# KiCad board PC110.kicad_pcb (continued)
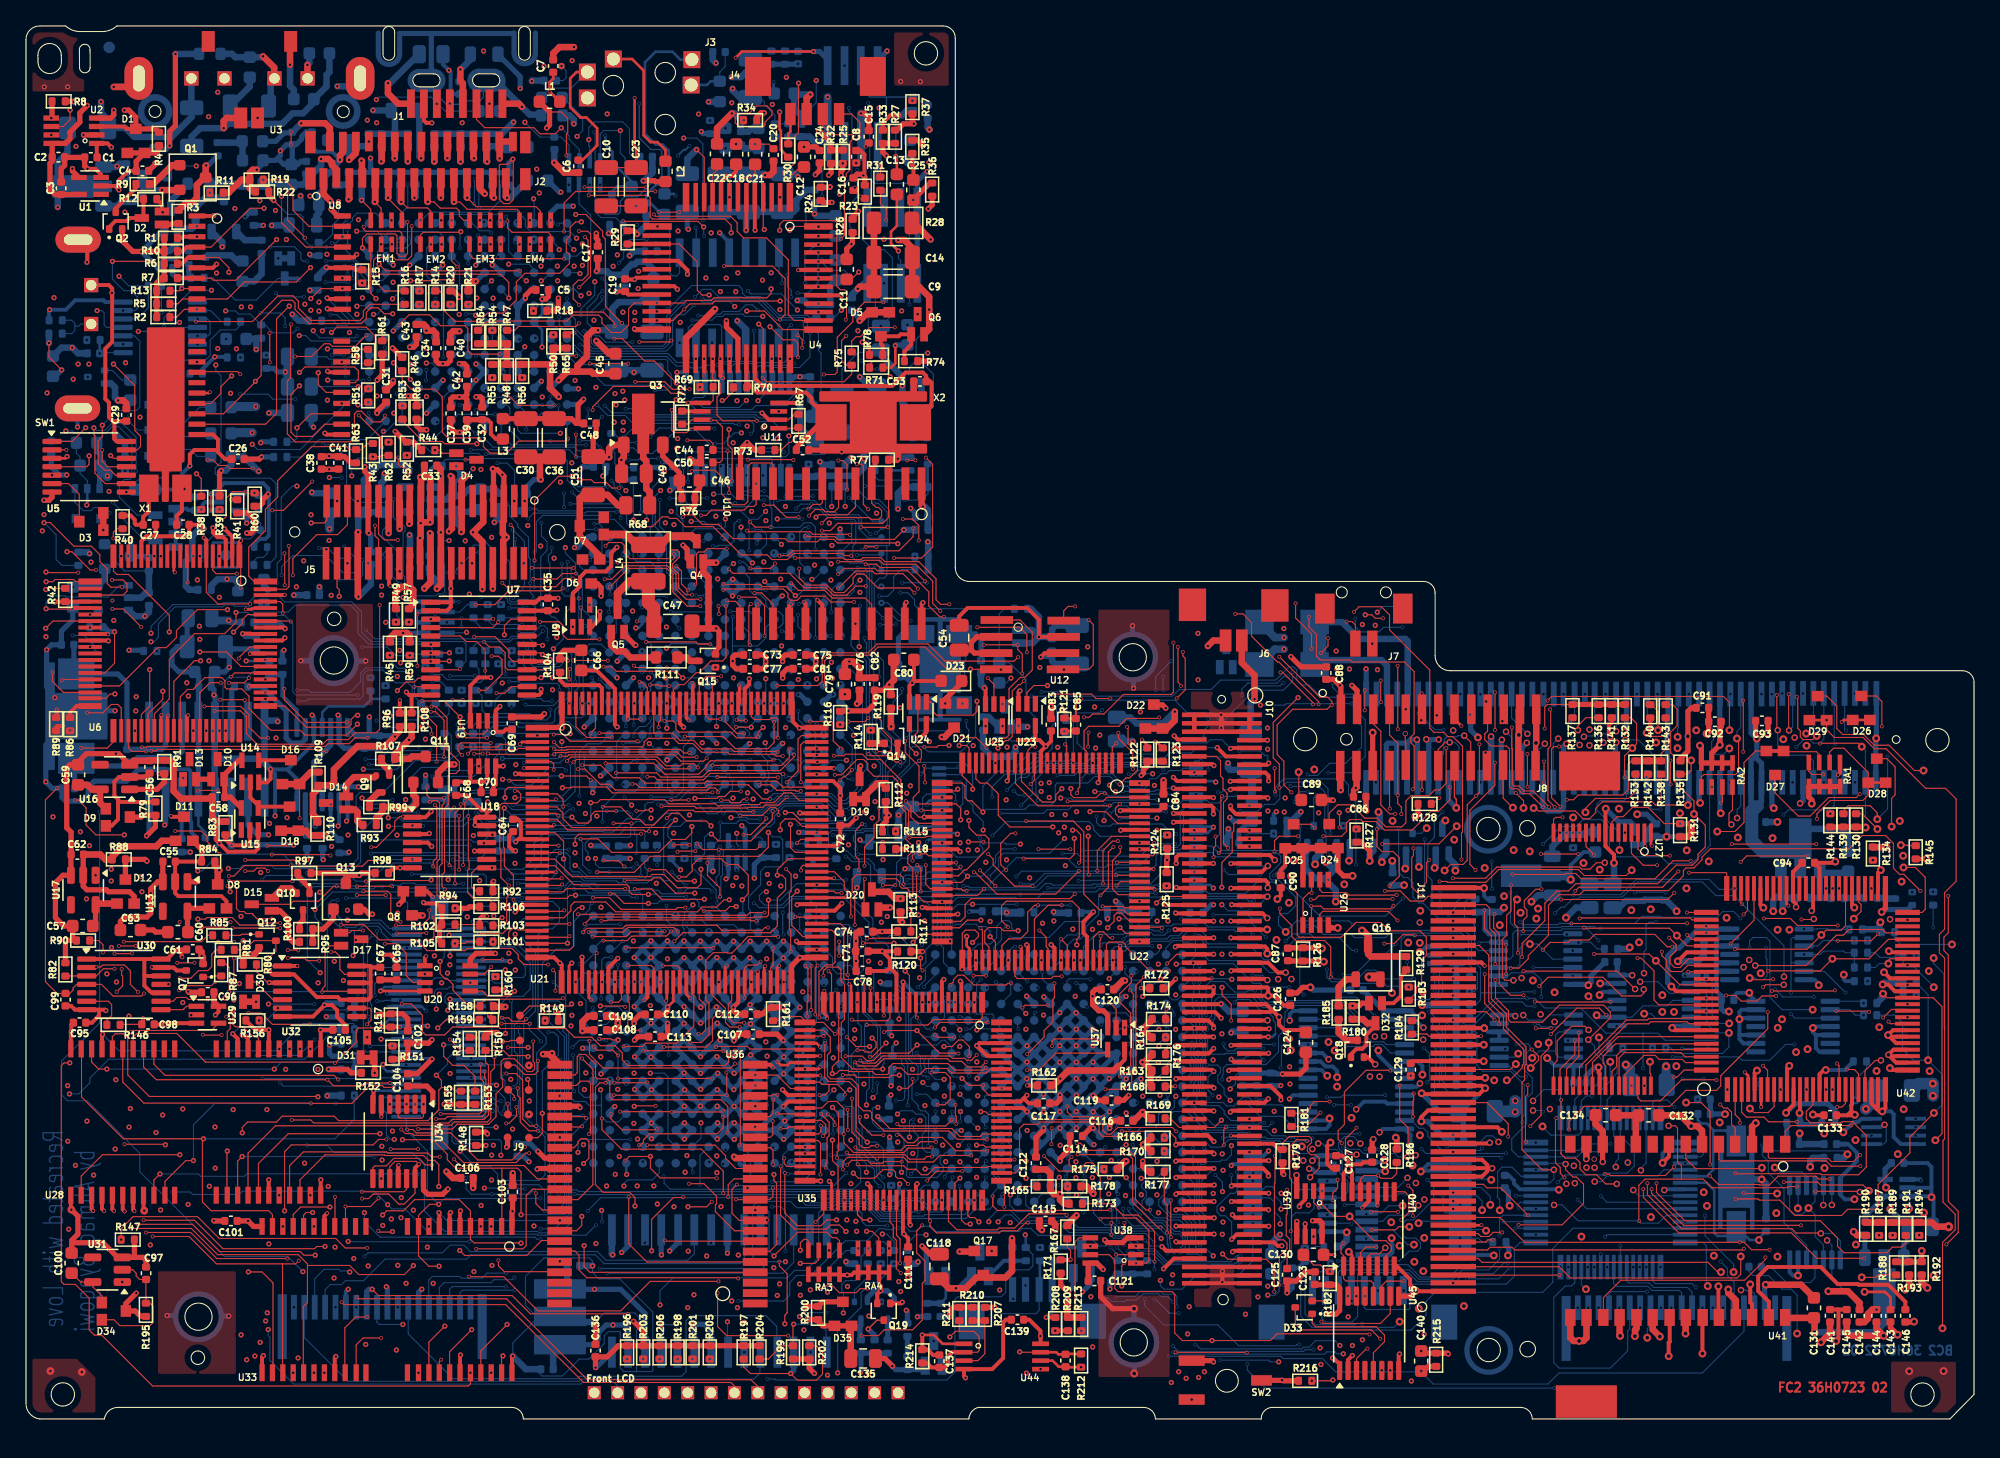
[diagram p0: board, top side]
## Routing (per net, layer and track width the routed paths; a pad name or vN(x,y) marks a point on that pad's centre or on a via; arc(x,y) is an arc through that point) (continued)
Pluto_51: length 61.7
  FC2 w0.08: U35.51 61.45,15.82 v3(60.82,15.19) ; v3(48.73,53.3) 48.73,53.7 48.86,53.83 48.86,55.15
  FC1 w0.08: v3(60.82,15.19) 60.82,12.38 59.65,11.21 54.69,11.21 53.64,10.16 53.07,10.16 51.54,11.69 51.54,13.28 49.44,15.38 49.44,22.92 49.19,23.17 49.19,24.47 49.45,24.73 49.45,29.04 48.51,29.98 48.51,30.34 48.52,30.34 48.52,30.66 48.51,30.66 48.51,34.36 47.73,35.14 47.73,38.69 48.39,39.35 48.39,40.27 49.11,40.99 49.11,45.82 48.63,46.3 48.63,51.98 48.73,52.08 v3(48.73,53.3)
Pluto_52: length 81.8
  FC2 w0.08: v1(10.74,21.13) 10.7,21.17 v3(7.59,21.17) ; R85.1 14.01,37.27 13.52,36.78 v3(7.53,36.78)
  FC2 w0.2: v1(61.88,18.31) 62.05,18.14 U35.52
  FC1 w0.08: v3(7.59,21.17) 7.59,29.9 8.48,30.79 8.48,31.7 7.89,32.29 7.89,35.28 7.53,35.64 v3(7.53,36.78)
  IC1 w0.08: v1(10.74,21.13) 25.63,21.13 26.27,20.49 30.84,20.49 32,21.65 32.85,21.65 32.91,21.6 45.55,21.6 47.89,19.25 49.01,19.25 50.31,17.95 61.73,17.95 61.88,18.1 v1(61.88,18.31)
Pluto_72: length 81.1
  FC2 w0.08: U35.72 72.05,15.33 72.36,15.02 v1(72.73,15.02)
  FC2 w0.5: v3(17.72,32.15) D30.2
  FC1 w0.08: v1(18.71,13.49) 18.2,14 18.2,30.23 17.96,30.47 v3(17.96,30.71) 17.96,31.91 v3(17.72,32.15)
  IC3 w0.08: v1(72.73,15.02) 72.72,15.03 68.92,15.03 67.35,13.46 60.97,13.46 60.28,14.15 48.71,14.15 45.62,11.06 37.79,11.06 37.42,10.69 32.57,10.69 32.09,11.17 25.88,11.17 25.18,11.87 22.76,11.87 21.84,10.95 20.64,10.95 18.71,12.88 v1(18.71,13.49)
Pluto_73: length 150
  FC2 w0.08: v3(88.18,14.01) v3(88.18,16.85) ; 26.86,27.78 D31.1 ; v3(72.55,16.86) 72.55,15.68 72.71,15.52 73.07,15.52 v1(73.4,15.19)
  FC2 w0.4: D31.2 D31.1 ; v3(26.86,26.67) 26.86,27.78
  FC1 w0.08: v3(88.18,16.85) 87.26,17.77 83.98,17.77 83.7,18.05 80.88,18.05 80.47,18.46 80,18.46 79.76,18.22 77.33,18.22 76.85,17.74 75.67,17.74 75.43,17.5 72.94,17.5 72.55,17.11 v3(72.55,16.86) ; v1(93.93,8.07) 91.45,8.07 90.62,8.9 90.62,10.95 88.18,13.39 v3(88.18,14.01) ; v3(26.86,26.67) 26.32,26.13 26.32,20.89 26.39,20.82 26.39,16.51 26.61,16.29 26.61,12.59 26.36,12.34 v1(26.36,11.79)
  IC1 w0.08: v1(93.93,8.07) 94.36,8.5 v2(107.28,8.5)
  IC3 w0.08: v1(26.36,11.79) 26.78,11.37 32.33,11.37 32.82,10.88 37.15,10.88 37.51,11.24 45.46,11.24 48.54,14.32 60.41,14.32 61.07,13.66 66.04,13.66 68.01,15.63 72.96,15.63 v1(73.4,15.19)
  BC1 w0.08: v7(103.58,30.68) 104.34,30.68 105.11,29.91 105.11,28.44 106.37,27.18 109.42,27.18 110.05,26.55 110.05,15.55 111.14,14.46 111.14,13.03 109.02,10.91 104.03,10.91 103.58,10.46 103.58,9.34 104.42,8.5 v2(107.28,8.5)
Pluto_BIOS_WR_EN: length 51.3
  FC2 w0.08: U35.53 62.55,19.48 62.12,19.91 v1(62.12,21.49)
  FC2 w0.4: D19.3 64.21,50.25 v1(64.29,50.33)
  IC4 w0.08: v1(64.29,50.33) 64.29,51.17 63.96,51.5 62.82,51.5 62.29,50.97 62.29,42.52 63.09,41.72 64.12,41.72 65.1,40.74 65.1,39.54 65.18,39.46 65.18,37.23 65.78,36.63 66.23,36.63 66.77,36.09 66.77,32.61 65.61,31.45 65.61,27.5 65.45,27.34 65.45,25.52 65.63,25.34 65.63,24.61 65.15,24.13 65.15,23.16 65.4,22.91 65.81,22.91 66.86,23.96 67.35,23.96 68.01,23.3 68.01,22.87 67.41,22.27 65.04,22.27 63.85,21.08 63.16,21.08 62.75,21.49 v1(62.12,21.49)
Pluto_CLK: length 74.7
  FC2 w0.3: v1(68.64,18.12) 68.55,18.03 U35.65
  IC1 w0.08: v1(68.64,18.12) 67.94,17.42 38.47,17.42 36.12,19.77 29.25,19.77 28.55,19.07 26.72,19.07 26,19.79 21.54,19.79 v1(21.46,19.71)
  IC4 w0.08: v1(21.46,19.71) 21.46,20.6 21.63,20.77 21.63,21.5 21.61,21.52 21.61,43.09 v1(21.63,43.11)
  BC2 w0.4: R348.1 21.65,43.13 v1(21.63,43.11)
Pluto_Dock_IO1: length 121.6
  FC2 w0.08: v1(65.17,29.35) 65.48,29.04 65.48,28.64 65.12,28.28 64.63,28.28 64.49,28.42 v3(64.04,28.42) ; v3(61.43,29.5) 60.04,29.5 U35.28 ; v2(142.6,46.22) 142.6,46.7 142.04,47.26 140.37,47.26 139.99,46.88 R139.2
  FC1 w0.08: v3(61.43,29.5) 62.09,28.84 63.39,28.84 63.81,28.42 v3(64.04,28.42)
  IC1 w0.08: v2(100.8,28.4) 100.8,29.3 100.32,29.78 98.59,29.78 98.37,30 96.87,30 95.86,28.99 95.29,28.99 92.66,31.62 90.89,31.62 88.83,29.56 68.23,29.56 67.53,30.26 65.92,30.26 65.17,29.51 v1(65.17,29.35)
  IC2 w0.08: v2(142.6,46.22) 141.59,46.22 141.58,46.21 141.52,46.21 141.21,45.9 141.21,40.9 140.14,39.83 140.14,35.14 140.45,34.83 140.45,29.8 139.72,29.07 136.97,29.07 136.34,28.44 v2(136.34,28.27)
  IC3 w0.08: v2(100.8,28.4) 103.44,28.4 104.02,27.82 107.07,27.82 107.99,26.9 115.12,26.9 115.45,26.57 116.81,26.57 118.51,28.27 v2(136.34,28.27)
  BC1 w0.08: v7(141.68,55.91) 141.68,52.46 143.1,51.04 v7(143.39,51.04)
  BC2 w0.08: v2(142.6,46.22) 143.39,47.01 v7(143.39,51.04)
Pluto_Dock_IO2: length 117.5
  FC2 w0.08: v3(63.87,27.48) 64.15,27.2 65.52,27.2 66.08,27.76 70.99,27.76 71.19,27.56 72.08,27.56 72.51,27.13 73.56,27.13 v3(73.93,27.5) ; v3(92.13,48.01) 92.04,47.92 92.04,43.78 v3(91.88,43.62) ; v2(142.61,45.46) 141.43,46.64 R130.2 ; v2(141.4,51.81) 141.14,52.07 138.2,52.07 v3(138.18,52.05) ; v3(77.12,28.12) 78.42,29.42 78.42,29.93 79.1,30.61 79.1,32.34 79.22,32.46 v3(79.22,33.57) ; v3(126.68,48.9) 126.66,48.92 v3(126.66,50.74)
  FC2 w0.2: v3(61.18,28.67) 60.89,28.96 U35.29
  FC1 w0.08: v3(73.93,27.5) 76.5,27.5 v3(77.12,28.12) ; v3(91.88,43.62) 90.37,43.62 89.04,42.29 89.04,40.78 88.8,40.54 87.78,40.54 87.08,41.24 86.67,41.24 86.12,40.69 86.12,39.74 85.93,39.55 85.55,39.55 85.21,39.89 85.21,41.05 84.76,41.5 83.51,41.5 83.39,41.62 82.68,41.62 80.16,39.1 80.16,36.35 79.22,35.41 v3(79.22,33.57) ; v3(138.18,52.05) 137.5,51.37 132.91,51.37 132.46,51.82 131.75,51.82 131,52.57 130.05,52.57 129.84,52.36 128.39,52.36 128.15,52.12 126.99,52.12 126.66,51.79 v3(126.66,50.74) ; v3(92.13,48.01) 92.2,48.08 93.1,48.08 93.79,48.77 96.03,48.77 96.36,49.1 96.69,49.1 96.83,48.96 100.79,48.96 101.08,49.25 109.34,49.25 109.73,49.64 121.27,49.64 121.45,49.82 125.76,49.82 v3(126.68,48.9) ; v3(63.87,27.48) 63.87,28.04 63.26,28.65 61.2,28.65 v3(61.18,28.67)
  BC2 w0.08: v2(142.61,45.46) 141.68,46.39 J13.99 141.68,51.53 v2(141.4,51.81)
Pluto_EN_IRDA: length 178.4
  FC2 w0.08: v1(28.61,56.13) 29.27,56.79 29.91,56.79 30.21,57.09 U7.10 ; U35.48 58.62,19.46 58.4,19.68 v3(58.4,20.09) ; v1(62.12,24.01) 62.59,23.54 62.59,20.69 62.48,20.58 v3(62.48,20.12)
  FC1 w0.08: v3(62.48,20.12) 62.45,20.09 v3(58.4,20.09)
  IC3 w0.08: v1(21.87,94.24) 21.87,95.57 23.9,97.6 43.91,97.6 46.08,95.43 46.08,94.05 49.5,90.63 50.06,90.63 51.43,89.26 51.43,87.83 51.45,87.81 51.45,87.72 51.81,87.36 54.93,87.36 55.9,88.33 v1(57.4,88.33)
  IC4 w0.08: v1(57.4,88.33) 58.42,88.33 60.35,86.4 60.35,67.1 61.55,65.9 61.55,56.22 61.22,55.89 61.22,41.75 60.69,41.22 59.28,41.22 58.81,40.75 58.81,39.47 59.09,39.19 60.82,39.19 62.81,37.2 62.81,24.7 v1(62.12,24.01) ; v1(21.87,94.24) 21.87,93.27 22.28,92.86 22.64,92.86 22.65,92.86 24.64,92.86 24.71,92.93 26.08,92.93 26.41,92.6 26.41,86.18 26.17,85.94 26.17,84.07 24.83,82.73 24.83,80.56 24.03,79.76 24.03,75.14 25.52,73.65 25.52,70.94 24.03,69.45 24.03,64.99 22.1,63.06 22.1,61.1 22.87,60.33 24.17,60.33 25.52,58.98 25.52,57.94 27.33,56.13 v1(28.61,56.13)
Pluto_ESS_AEN: length 85.3
  FC2 w0.08: v3(76.14,19.99) 76.11,19.96 U35.79
  FC1 w0.08: v3(76.14,19.99) 76.47,20.32 77.41,20.32 77.76,19.97 79.02,19.97 79.41,20.36 79.94,20.36 80.48,19.82 v1(80.87,19.82)
  IC3 w0.08: v2(145.04,16.21) 144.51,15.68 136.3,15.68 135.64,16.34 135.64,17.37 135.21,17.8 132.13,17.8 131.78,18.15 123.35,18.15 122.18,16.98 117.45,16.98 114.66,19.77 109.32,19.77 108.11,18.56 107.22,18.56 106.75,19.03 106.52,19.03 106.03,19.52 104.38,19.52 103.66,18.8 100.33,18.8 99.69,18.15 97.52,18.15 97.22,18.45 96.59,18.45 96.36,18.68 96.36,19.12 95.99,19.49 95.99,19.5 95.17,19.5 94.8,19.87 94.8,20.44 93.4,21.84 91.23,21.84 88.87,19.48 82.04,19.48 81.7,19.82 v1(80.87,19.82)
  BC1 w0.08: v2(145.04,16.21) 145.04,21.98 145.55,22.49 v7(145.55,22.49)
Pluto_IRDA_OUT: length 151.4
  FC2 w0.08: v1(3.4,100.86) 3.4,100.13 2.87,99.6 U2.6 ; v1(73.22,21.1) 73.76,21.1 73.9,20.96 U35.81
  IC3 w0.08: v1(10.53,23.42) 13.4,23.42 13.64,23.18 37.98,23.18 38.92,22.24 66.96,22.24 67.57,21.63 67.57,21.52 67.77,21.32 68.56,21.32 68.84,21.6 72.72,21.6 v1(73.22,21.1)
  IC4 w0.08: v1(10.53,23.42) 10.53,23.81 10.21,24.13 10.21,36.14 6.98,39.37 6.98,46.81 10.13,49.96 10.13,54.63 8.55,56.21 8.55,71.69 8.3,71.94 8.3,81.74 7.72,82.32 7.72,89.21 6.44,90.49 6.44,91.81 3.99,94.26 3.99,96.72 3.98,96.72 3.33,97.37 3.33,100.79 v1(3.4,100.86)
Pluto_Switched_PNET5: length 125
  FC2 w0.4: v1(102.13,56.53) 102.53,56.13 J8.12 ; C86.1 102.25,48.44 v1(102.43,48.62)
  FC2 w0.5: 141.74,15.14 146.82,15.14 147.14,14.82 148.08,14.82 ; R129.2 103.57,35.64 103.38,35.83 Q16.3 103.39,36.51 103.39,37.23 102.98,37.64 v2(102.9,37.64) ; v1(102.43,48.62) 102.49,48.68 102.49,50.33 J8.15 ; 141.78,15.13 141.77,15.12
  FC2 w0.7: v2(148.09,14.81) 148.08,14.82
  IC2 w0.7: v2(148.09,14.81) 148.06,14.84 148.06,17.38 147.06,18.38 146.05,18.38 145.43,19 145.43,46.48 137.66,54.25 108.37,54.25 106.09,56.53 v1(102.13,56.53)
  IC4 w0.5: v2(102.9,37.64) 102.9,39.01 101.37,40.54 99.86,40.54 98.35,42.05 98.35,44.1 98.88,44.63 98.88,47.91 100.52,49.55 101.54,49.55 102.43,48.66 v1(102.43,48.62)
  IC4 w0.7: v1(102.13,56.53) 105,53.66 105,51.19 v1(102.43,48.62)
PNET1: length 570.1
  FC2 w0.08: 24.05,73.18 C41.1 ; 22.79,73.18 C38.1 ; 67,43.91 R118.2 ; 107.64,5.07 v3(107.47,5.24) ; v1(97.89,15.22) 97.88,15.21 ; 96.8,2.94 v1(96.75,2.99) 96.73,2.97 ; 34.45,17.8 v1(34.43,17.78) ; v1(65.96,37.56) 65.97,37.57 ; 65.25,37.56 C74.2
  FC2 w0.2: v1(49.42,31.74) 49.86,32.18 U21.54 ; v2(101.89,12.88) 102.14,12.63 U40.2 ; 28.06,31.17 R157.2
  FC2 w0.3: U40.13 102.14,19 v2(101.86,19.28) ; v1(78.55,51.83) 78.95,52.23 C83.1 ; v1(78.55,51.83) 78.17,51.45 U22.13 ; v1(78.55,51.83) 78.06,52.32 77.88,52.32 ; 77.88,52.32 76.42,52.32 v3(76.41,52.33) ; 77.88,52.32 77.75,52.45 U23.5 ; v1(82.22,39.08) 81.45,38.31 81.45,37.44 81.72,37.17 U22.70 ; 14.79,74.67 14.79,75.48 14.41,75.86 U8.20 ; 14.79,74.67 12.96,74.67 12.62,74.33 v1(12.62,73.45) ; 14.79,74.67 14.79,74.51 15.33,73.97 C26.1 ; C128.1 103.03,19.79 102.86,19.62 102.2,19.62 v2(101.86,19.28) ; R156.1 17.67,29.98 v1(18.7,29.98) 18.71,29.98 U28.6 ; 32.72,62.94 v1(32.72,64) 32.72,65.9 J5.33 ; 32.72,62.94 32.72,62.58 32.43,62.29 U7.2 ; 32.72,62.94 32.72,62.94 31.18,62.94 ; L3.1 36.2,75.51 35.81,75.9 35.81,76.76 35.56,77.01 C32.1 ; 50.36,55.15 50.36,53.6 v1(50.65,53.31) ; v1(68.12,14.95) 68.05,15.02 U35.64 ; U40.14 101.49,18.91 v2(101.86,19.28) ; 66.55,34.78 66.55,35.45 v1(65.96,36.04) 67.12,36.04 R120.1 ; 66.55,34.78 67.05,34.28 U35.14 ; 66.55,34.78 66.29,34.52 C78.2 ; v2(101.86,19.28) 101.86,19.81 101.38,20.29 C127.2 ; U28.1 22.71,29.96 v1(22.68,29.98) C105.1 ; 84.13,27.19 84.62,27.68 U37.5 ; U21.18 39.37,44.68 38.28,44.68 38.24,44.72 38.12,44.72 ; 59.06,55.17 59.06,53.75 v1(59.57,53.24) 59.6,53.27 U21.108 ; U8.1 14.44,92.71 v1(14.46,92.73) ; C95.1 3.49,30.38 v1(3.49,29.84) 3.46,29.81 3.46,28.52 ; v1(58.34,24.08) 58.72,24.46 U35.38 ; U8.6 14.4,88.71 v1(14.68,88.99) ; v1(33.47,16.04) 33.44,16.01 U33.6 ; C117.2 77.23,24.33 76.86,24.71 ; 76.86,24.71 76.61,24.46 U35.88 ; 76.86,24.71 v1(77.09,24.94) ; v1(36.5,54.91) 36.18,54.59 U19.1 36.18,53.1 36.32,52.96 36.78,52.96 36.96,53.14 C69.1 ; v1(102.17,4.89) 101.83,4.56 U45.2 ; U21.90 62.47,44.17 62.72,44.42 C72.1 63.37,45.74 v1(63.95,46.32) ; U35.95 74.18,27.96 74.14,28 74,28 v1(73.24,28.76) 73.44,28.96 U35.97 ; U9.5 42.12,63.62 42.67,64.17 42.67,64.86 43.12,65.31 44.67,65.31 45.08,65.72 45.08,66.74 v1(45.51,67.17) ; U35.7 70.55,33.72 v1(70.7,33.87) ; v1(30.62,39.8) 30.69,39.73 31.6,39.73 31.98,39.35 ; v1(37.72,44.48) 37.96,44.72 38.12,44.72 ; 38.12,44.72 38.12,45.98 37.88,46.22 C64.2 ; U21.37 41.26,34.99 v1(41.12,35.13) 40.68,35.57 U21.36 ; C65.2 28.54,35.29 28.05,35.78 v1(27.52,35.78)
  FC2 w0.4: U21.73 60.89,35.55 v1(59.61,35.55) 58.96,34.9 U21.72 ; 97.88,15.21 U39.5 ; v1(82.97,11.52) 82.48,12.01 U38.8 81.82,11.85 C121.1 ; U33.1 37.44,15.96 v1(37.48,16) 37.48,17.02 C103.1 ; R157.2 29.03,31.22 29.41,30.84 C102.2 ; C40.1 32.68,81.55 32.46,81.33 v1(32.11,81.33) 31.79,81.33 31.59,81.53 C34.1 ; v1(67.94,10.91) 67.95,10.92 C111.1 ; C42.2 33.96,81.12 33.75,81.33 v1(33.38,81.33) ; v1(38.47,86.38) 38.47,86.57 38.9,87 C5.1 ; C77.2 56.77,57.81 56.97,58.01 v1(56.97,58.37) 56.97,58.7 56.79,58.88 C73.2 ; v1(27.14,31.17) 28.06,31.17 ; v1(31.27,27.73) 30.15,26.61 C104.2 ; C43.1 30.08,82.81 29.87,82.6 v1(29.56,82.6) ; 31.98,39.35 R94.1 R102.1 31.86,37.93 31.86,36.82 R105.1 ; v1(86.02,19.87) 86.02,19.45 86.43,19.04 R177.1 ; 107.64,5.07 R215.2 109.49,5.07 v1(109.55,5.01) ; v1(43.95,88.45) 44.04,88.54 C17.1 ; Q13.2 26.06,39.28 26.44,38.9 v1(26.68,38.9) ; C32.1 C39.1 33.96,76.25 33.74,76.03 v1(33.4,76.03) 33.06,76.03 32.72,76.37 C37.1 ; 24.05,73.18 v1(23.36,73.18) 22.79,73.18 ; v1(28.29,80.03) 28.29,79.86 C31.2 ; R148.2 35.41,22.1 v1(35.54,21.97) ; v1(99.1,15.28) 99.65,15.28 99.83,15.1 U39.8 ; C113.2 49.27,29.46 49.42,29.61 v1(49.42,30.48) ; v1(67.75,43.91) 67,43.91 ; C112.2 56.72,31.2 57.23,31.71 R161.2 57.56,31.73 v1(58.32,31.73) ; R152.1 25.04,26.67 24.77,26.94 v1(23.31,26.94) ; U21.1 39.41,53.29 41.25,53.29 v1(41.29,53.25) 41.29,55.12 41.26,55.15 ; v1(79.65,19.87) 79.65,20.06 79.94,20.35 79.94,20.37 80.39,20.82 80.39,21.77 C114.2 ; C75.1 58.48,58.88 58.28,58.68 v1(58.28,58.37) ; U33.22 17.54,14.84 v1(17.1,15.27) 17.09,15.26 C101.2 ; C110.2 49.15,31.17 49.42,31.44 v1(49.42,31.74) ; 96.8,2.94 R216.1 ; v1(58.34,29.17) 57.86,29.65 C107.2 ; v1(28.42,52.59) 28.82,52.99 28.82,53.35 R96.1 ; R127.2 102.51,44.47 102.81,44.47 103.5,43.78 v2(103.5,43) ; v1(100.31,8.08) 100.91,8.08 101.19,8.36 U45.16 101.19,10.08 100.92,10.34 R182.1 99.3,10.34 C123.1 ; 65.97,37.57 R117.1 ; v1(65.96,37.56) 65.25,37.56 ; C71.2 v1(65.96,36.04) ; 96.73,2.97 SW2.1
  FC2 w0.5: v1(79.67,26.23) 80.14,26.7 ; 80.14,26.7 79.14,25.7 R162.2 ; 80.14,26.7 80.29,26.85 83.78,26.85 84.12,27.19 84.13,27.19 ; v1(36.93,31.76) 36.05,31.76 R158.2 ; C115.2 78.05,14.76 v1(78.26,14.55) ; R84.2 14.56,42.95 14.56,42.62 v1(14.89,42.29) 14.77,42.17 D8.2 ; C109.2 45.38,31.05 45.59,30.84 v1(45.59,30.5) 45.59,30.19 45.37,29.97 C108.2 ; v1(32.71,72.67) 32.81,72.57 J5.8 32.81,68.63 v1(32.58,68.4) ; R110.2 22.45,46.25 22.1,46.6 22.1,48.15 22.54,48.59 R109.1 23.45,48.83 23.73,49.11 23.73,49.4 23.72,49.41 23.72,50.04 25.09,51.41 25.1,51.41 25.54,51.85 27.68,51.85 v1(28.42,52.59) ; R59.2 29.56,60.37 29.36,60.57 v1(29.05,60.57) 28.42,60.57 28.03,60.18 R45.2 ; C106.2 34.45,17.8 ; C122.1 78.59,19.23 78.9,18.92 R165.2 78.9,17.59 79.17,17.32 v1(79.65,17.32) 79.65,16.89 79.95,16.59 R173.1
  FC1 w0.08: v3(107.47,5.24) 107.11,5.59 105.44,5.59 104.44,4.59 v3(104.44,3.74)
  FC1 w0.3: v3(75.21,53.39) 76.27,52.33 v3(76.41,52.33)
  FC1 w0.5: v2(136.49,11.05) 136.49,12.15 137.1,12.76 139.05,12.76 139.88,13.59 139.88,17.26 139.49,17.65 139.49,20.97 139.98,21.46 v2(139.98,22.09)
  IC1 w0.5: v2(127.14,39.13) 127.05,39.13 125.33,37.41 109.77,37.41 108.55,38.63 108.55,39.27 107.65,40.17 101.19,40.17 v2(100.89,39.87)
  IC2 w0.5: v1(41.12,35.13) 41.12,33.95 38.93,31.76 v1(36.93,31.76)
  IC2 w0.6: v4(104.26,22.09) 103.91,22.44 101.13,22.44 v2(100.41,23.16) 99.25,24.32 99.25,29.84 99.92,30.51 99.92,33.84 98.33,35.43 98.33,40.44 100.12,42.23 v2(100.12,42.93)
  IC2 w0.8: v2(103.5,43) 103.5,42.72 104.13,42.09 105.92,42.09 v2(106.24,42.41) 106.24,42.39 106.89,41.74 107.77,41.74 108.47,42.44 108.47,42.47
  IC4 w0.5: v1(21.87,86.98) 21.87,87.8 21.11,88.56 21.11,89 v1(21.86,89.75)
  IC4 w0.6: v2(103.5,43) 103.5,43.89 103.1,44.29 100.66,44.29 100.12,43.75 v2(100.12,42.93)
  IC4 w0.7: v2(127.14,39.13) 126.51,38.5 126.51,37.71 123.72,34.92 v4(123.72,34.19)
  BC1 w0.4: v1(17,69.04) 17.56,69.04 17.64,68.96 17.64,66.68 17.53,66.57 17.53,63.63 v5(18.33,62.83)
  BC2 w0.08: v1(30.86,77.5) 30.86,77.52 ; 66.59,21.65 v1(66.52,21.72) ; v1(29.05,60.57) 29.07,60.59 ; 122.57,34.23 U66.14 ; v1(28.29,83.85) 28.3,83.85 ; v1(33.38,81.33) 33.45,81.33 ; v1(23.13,31) 23.15,30.98
  BC2 w0.2: J15.21 31.21,27.79 v1(31.27,27.73) ; J15.14 29.25,31.25 27.22,31.25 v1(27.14,31.17)
  BC2 w0.3: RA5.6 RA5.5 29.07,60.59 ; U70.16 100.13,22.35 100.41,22.63 v2(100.41,23.16) 100.25,23 U70.17 ; C247.1 81.34,39.08 v1(82.22,39.08) ; v1(58.26,63.43) 58.19,63.43 57.64,62.88 ; U72.1 109.51,19.79 109.36,19.63 108,19.63 v2(107.44,19.07) 107.51,19.14 U72.2 ; J15.5 27.53,35.79 v1(27.52,35.78) ; R287.2 12.4,71.05 12.02,71.43 12.02,71.73 ; 24.24,29.98 R403.2 ; 12.02,71.73 11.91,71.62 D44.1 ; 12.02,71.73 12.02,72.85 v1(12.62,73.45) ; v4(104.26,22.09) 104.52,22.35 U70.15 106.64,21.89 106.64,20.98 ; U64.14 135.85,11.3 136.1,11.05 v2(136.49,11.05) 136.49,12.25 U64.13 ; U61.B2 45.01,66.7 45.48,67.17 v1(45.51,67.17) ; v2(139.98,22.09) 140.75,22.86 140.97,22.86 141.02,22.91 141.14,22.91 141.37,23.14 U69.8 ; RA5.7 30.58,62.99 29.38,62.99 v1(29.05,63.31) ; 113.91,18.78 114.2,18.78 114.62,18.36 114.62,18.15 115.07,17.7 118.03,17.7 v2(118.07,17.66) ; v1(95.71,20.66) 95.33,20.29 U73.20 ; v4(123.72,34.19) 122.57,34.19 U66.14 ; 65.43,77.1 C208.2
  BC2 w0.4: v1(58.44,22.97) 57.89,23.52 U76.M13 ; v1(58.44,22.97) 57.72,22.25 U76.M14 ; v1(58.44,22.97) 58.94,23.47 U76.N13 58.38,24.08 v1(58.34,24.08) ; v1(58.44,22.97) 58.44,22.75 U76.N14 58.94,22.13 v1(58.36,21.55) 58.36,21.56 U76.M14 ; U76.M14 U76.L14 ; v1(58.34,24.08) 58.34,24.19 U76.N12 ; v1(58.34,24.08) 58.34,24.12 U76.M12 ; v1(58.34,24.08) 58.23,24.08 U76.M13 ; v1(26.45,54.1) 26.44,54.09 26.44,52.65 ; U76.J14 v1(54.56,21.55) 54.56,21.68 U76.K14 ; U76.J14 54.43,22.82 v1(54.56,22.82) U76.K14 ; U76.J14 53.86,22.18 v1(53.25,21.57) 53.25,21.59 U76.H14 52.7,22.25 v1(53.27,22.82) 53.84,22.25 U76.J14 ; U76.D4 U76.E5 U76.D6 47.49,32.41 v1(46.85,31.77) 46.88,31.77 U76.D7 47.51,31.13 v1(48.14,30.5) ; U76.D4 46.9,35.56 v1(46.85,35.56) U76.D3 ; U76.D4 48.12,35.56 v1(48.13,35.56) ; C280.2 66.59,21.19 66.52,21.26 v1(66.52,21.72) ; U76.E12 48.2,25.37 v1(48.18,25.37) ; U51.D8 30.25,83.3 29.56,82.61 v1(29.56,82.6) ; U76.N11 58.39,26.61 v1(58.36,26.61) ; U76.K14 U76.L14 ; v1(48.14,30.5) 48.15,30.5 U76.E8 48.81,29.87 v1(49.42,30.48) 49.42,30.5 U76.E7 ; v1(48.14,30.5) U76.D8 ; v1(48.14,30.5) U76.E7 ; v1(58.37,27.9) U76.M9 58.24,29.17 v1(58.34,29.17) ; v1(58.37,27.9) 58.94,28.47 U76.N9 58.37,29.17 v1(58.34,29.17) ; v1(58.37,27.9) U76.N10 58.94,27.19 v1(58.36,26.61) ; v1(58.37,27.9) 58.24,27.9 U76.M10 57.67,27.3 v1(58.36,26.61) ; v1(48.18,25.37) 47.6,24.79 U76.D12 46.9,25.4 v1(46.88,25.4) 47.51,26.03 U76.D11 48.18,25.39 v1(48.18,25.37) ; v1(48.18,25.37) 48.18,25.46 U76.E11 ; v1(48.13,35.56) 48.17,35.56 U76.E4 U76.D5 U76.E6 48.78,32.38 v1(49.42,31.74) 49.38,31.74 U76.E7 ; v1(48.13,35.56) 48.78,36.21 U76.E3 ; v1(48.13,35.56) 47.51,36.18 U76.D3 ; C253.1 C252.1 46.52,43.2 v1(46.54,43.18) ; v1(22.68,29.98) 24.24,29.98 ; U76.M13 U76.L14 ; U76.N7 58.94,31.05 v1(58.34,30.45) ; U76.N7 58.35,31.73 v1(58.32,31.73) ; U76.N7 59.52,31.72 v1(59.6,31.72) 58.94,32.38 U76.N6 ; 33.45,81.33 U51.G10 ; v1(17,69.04) 17,69.37 U52.5 ; v1(58.34,29.17) 57.67,29.84 U76.M8 58.25,30.45 v1(58.34,30.45) ; v1(58.34,29.17) 58.94,29.77 U76.N8 58.36,30.45 v1(58.34,30.45) ; v1(58.34,35.52) 57.67,36.19 U76.M3 ; v1(58.34,35.52) 58.37,35.52 U76.N4 ; v1(58.34,35.52) 58.24,35.52 U76.M4 U76.N5 U76.M6 ; v1(58.34,35.52) 58.94,36.12 U76.N3 ; v2(114.15,12.6) 114.21,12.66 114.21,13.17 113.98,13.4 113.98,13.62 R372.1 ; U76.M6 57.67,32.38 v1(58.32,31.73) ; U76.M6 57.06,31.8 57.06,31.74 57.07,31.74 U76.M7 ; 50.69,36.78 50.61,36.78 U76.F3 49.43,36.84 v1(49.41,36.84) 48.79,36.22 U76.E3 ; v1(48.18,22.81) 48.07,22.81 U76.D14 47.53,22.25 v1(48.18,21.6) 48.78,22.2 U76.E14 48.22,22.81 v1(48.18,22.81) ; v1(48.18,22.81) 48.18,22.92 U76.E13 ; v1(48.18,22.81) 48.18,22.85 U76.D13 ; v1(58.34,30.45) 57.67,31.12 U76.M7 ; 23.15,30.98 R400.2 ; U76.D3 v1(48.13,36.84) 48.16,36.84 U76.E3 ; 44.94,50.18 44.32,49.56 v1(44.25,49.56) ; U76.M7 58.26,31.73 v1(58.32,31.73) ; U76.M7 57.67,31.45 57.68,31.46 ; v1(66.63,25.67) 66.65,25.69 66.65,26.86 R393.1 ; v1(37.72,44.48) 37.47,44.73 C255.2 ; U51.B11 v1(28.29,80.03) ; 78.92,32 v1(78.4,32.52) ; v1(48.14,27.89) 48.14,27.97 U76.D9 47.51,28.54 v1(46.88,27.91) 47.46,27.33 U76.D10 48.07,27.89 v1(48.14,27.89) ; v1(48.14,27.89) 48.14,27.96 U76.E9 ; v1(48.14,27.89) 48.22,27.89 U76.E10 ; U76.M3 57.08,36.81 v1(57.05,36.81) 56.46,36.22 U76.L3 55.81,36.81 v1(55.78,36.81) 55.19,36.22 U76.K3 54.54,36.81 v1(54.5,36.81) 53.91,36.22 U76.J3 53.27,36.81 v1(53.23,36.81) 52.64,36.22 U76.H3 51.99,36.82 v1(51.94,36.82) 51.34,36.22 U76.G3 50.7,36.84 v1(50.69,36.84) ; U76.M3 57.74,36.22 58.3,36.78 58.35,36.78 ; v1(58.32,31.73) 58.94,32.35 U76.N6 ; 58.92,72.61 U49.1 ; v1(43,53.32) 43.67,53.99 ; U76.N6 U76.M5 U76.N4 ; v1(45.52,57.12) 45.52,57.14 44.94,57.72 44.94,57.8 ; U76.N4 59.54,35.55 v1(59.61,35.55) 59.59,35.55 58.94,36.2 U76.N3 ; C242.2 122.57,34.23 ; U76.N3 58.35,36.81 v1(58.35,36.82) ; 28.3,83.85 U51.C7 ; v1(79.82,54.72) 80.12,54.42 R310.2 ; v1(58.36,26.61) 58.22,26.61 U76.M11 ; v1(44.43,72.66) 44.67,72.9 C212.1 ; v1(73.24,28.76) 73.81,28.19 73.84,28.19 ; U51.M1 40.41,92.95 40.92,93.46 v1(42.15,93.46) ; 26.44,52.65 C256.2 28.36,52.65 v1(28.42,52.59) ; 26.44,52.65 C254.2 25.41,52.65 U62.14 ; v1(79.65,19.87) 79.62,19.87 78.92,20.57 ; v1(21.86,89.75) 21.96,89.65 R229.2 ; v1(30.78,49.61) R349.2 ; v1(91.47,39.63) 91.3,39.63 R312.1 ; 30.86,77.52 U51.E12 ; U51.K7 U51.K6 37.89,85.8 v1(38.47,86.38) ; v1(32.1,88.92) U51.E4 ; v1(50.72,21.57) 50.72,21.58 U76.F14 50.15,22.25 v1(50.72,22.82) 51.29,22.25 U76.G14 50.72,21.65 v1(50.72,21.57) ; 54.97,64.18 v1(54.44,64.71) 53.91,64.18 53.82,64.18 54.42,63.58 v1(54.42,63.43) 54.42,63.52 55.09,64.18 54.97,64.18
  BC2 w0.5: v2(127.14,39.13) 127.14,39.18 126.35,39.97 126.04,39.97 126,40.01 124.68,40.01 124.6,39.93 123.24,39.93 122.71,39.4 R292.1 ; R249.1 R246.1 69.49,67.56 v1(69.46,67.59) ; v2(108.5,42.47) 108.59,42.56 D52.2 ; L6.2 48.33,88.6 47.75,89.18 47.08,89.18 46.89,88.99 46.67,88.99 46.13,88.45 C156.2 45.02,88.18 44.75,88.45 v1(43.95,88.45) ; v1(49.6,71.56) 49.85,71.81 R258.1 ; 65.43,77.1 C211.2 64.99,76.15 64.55,75.71 v1(64.55,74) 64.55,73.33 63.9,72.68 60.86,72.68 60.78,72.6 60.77,72.61 C215.1 58.92,72.61 ; v2(106.24,42.41) 106.3,42.47 D53.2 ; 99.95,41.68 100.89,40.74 v2(100.89,39.87) ; 99.95,41.68 99.3,41.68 98.55,42.42 98.55,43.63 98.69,43.77 D57.2 ; 99.95,41.68 100.11,41.68 100.97,42.53 D56.2 ; v1(23.31,26.94) R401.2 ; 100.12,42.87 100.18,42.87 100.75,42.31 ; R228.1 44.96,91.44 v1(44.88,91.36) ; v1(29.54,68.13) 29.58,68.09 C219.1 ; D54.2 103.78,43.78 103.5,43.5 v2(103.5,43) ; C172.2 v1(21.87,86.98)
  vias: v1(91.47,4.4)
PNET2: length 494.6
  FC2 w0.08: v3(42.85,50.38) 44.27,50.38 45.24,49.41 47.25,49.41 47.66,49 52.29,49 52.44,49.15 57.83,49.15 58.29,48.69 60.89,48.69 U21.99 ; v3(33.28,52.61) 33.77,52.61 33.89,52.49 v3(35.51,52.49) ; v3(26.6,44.06) 27,44.06 28.4,45.46 28.4,46.04 28.78,46.42 v3(29.04,46.42) 29.72,46.42 29.77,46.37 ; v1(34.6,45.76) 34.64,45.72 ; 2.02,98.23 U2.8 ; v2(97.45,41.83) 97.45,40.97 97.92,40.5 97.92,37.28 98.08,37.12 101.3,37.12 102.44,38.26 104.36,38.26 105.01,37.61 107.38,37.61 107.86,37.13 107.86,35.72 107.5,35.36 107.5,33.68 107.09,33.27 107.09,32.84 R183.1
  FC2 w0.3: 35.43,46.91 35.09,46.91 33.94,48.06 C68.1 ; 35.43,46.91 35.49,46.85 U18.14 34.7,46.37 34.6,46.27 v1(34.6,45.76) ; 35.43,46.91 v1(35.7,46.91) ; v1(78.16,58.71) 78.47,59.02 U12.6 ; v1(31.25,44.12) 30.95,44.42 29.77,44.42 ; v1(31.21,46.81) 30.77,46.37 29.77,46.37 ; U18.10 v1(34.55,43.77) ; 34.64,45.72 U18.13
  FC2 w0.4: v1(4.72,101.22) 4.15,100.65 4.15,99.93 3.39,99.17 3.39,98.64 3.05,98.3 U2.8 ; 2.02,98.23 C2.1 2.02,96.92 1.85,96.75 1.85,94.75 2.24,94.36 C3.1 4.07,94.36 U1.5 ; v6(8.5,9.7) 7.7,8.9 D34.2 8.41,8.32 8.83,7.9 R195.1
  FC2 w0.5: R28.2 68.4,92.17 v1(69.68,90.89) ; v1(69.08,70.31) 68.99,70.4 U10.1 ; R108.1 29.71,53.37 29.71,52.53 v1(29.51,52.33) 28.4,51.22 R107.2 29.56,50.87 29.74,51.05 Q11.3
  FC1 w0.08: v3(29.04,46.42) 30.32,47.7 30.32,52.48 30.93,53.09 31.16,53.09 31.48,53.41 32.48,53.41 v3(33.28,52.61) ; v3(26.6,44.06) 26.6,40.1 25.7,39.2 v1(24.76,39.2) ; v3(42.85,50.38) 42.84,50.39 42.84,52.08 42.52,52.4 41.75,52.4 41.37,52.78 41.14,52.78 40.19,53.73 36.75,53.73 v3(35.51,52.49)
  IC1 w0.08: v6(8.5,9.7) 8.51,9.7
  IC1 w0.5: v1(28.64,11.84) 27.79,10.99 26.04,10.99 25.72,10.67 24.49,10.67 23.52,9.7 8.51,9.7
  IC1 w0.7: v1(67.34,54.81) 69.82,54.81 70.48,55.47 70.48,57.62 71.67,58.81 78.06,58.81 v1(78.16,58.71) 78.09,58.64 v1(78.09,57.91)
  IC1 w1: v1(4.72,101.22) 6,99.94 7.04,99.94 7.66,99.32 12.87,99.32 14.18,98.01 16.6,98.01 17.31,98.72 38.8,98.72 39.47,98.05 40.95,98.05 41.65,97.35 41.65,96.61 45.84,92.42 49.08,92.42 49.6,92.94 58.97,92.94 60.48,91.43 60.48,89.96 61.16,89.28 65.11,89.28 65.9,88.49 68.58,88.49 69.27,89.18 69.27,90.48 v1(69.68,90.89)
  IC2 w0.5: v1(67.45,85.39) 67.45,87.3 69.68,89.53 v1(69.68,90.89)
  IC3 w0.7: v1(77.31,41.7) 73.95,41.7 72.74,42.91 71.61,42.91 69.24,45.28 66.54,45.28 64.61,43.35 62.65,43.35 62.15,43.85 48.76,43.85 47.04,45.57 40.01,45.57 39.5,46.08 37.18,46.08 36.42,45.32
  IC3 w0.8: v1(77.31,41.7) 77.44,41.83 v2(97.45,41.83) 97.5,41.83 100.38,38.95 105.32,38.95 106.55,40.18 111.34,40.18 113.46,38.06 v2(113.52,38.06) 114.04,37.54 119.73,37.54 121.39,39.2 123.64,39.2 v2(123.65,39.21) 123.65,39.89 126.37,42.61 v2(126.37,44.87)
  IC3 w1: 36.37,45.08 35.06,43.77 v1(34.55,43.77) 32.96,43.77 32.61,44.12 v1(31.25,44.12)
  IC4 w0.5: v1(28.64,11.84) 28.64,12.81 30.63,14.8 30.63,17.38 30.13,17.88 30.13,27.77 28.8,29.1 28.8,36.52 27.68,37.64 27.68,40.06 29.96,42.34 29.96,45.68 31.09,46.81 v1(31.21,46.81) 31.21,47.61 29.46,49.36 29.46,52.28 v1(29.51,52.33) ; v1(67.51,79.62) 67.64,79.49 68.07,79.49 ; 68.07,79.49 68.07,84.77 v1(67.45,85.39) ; 68.07,79.49 68.07,71.95 69.08,70.94 v1(69.08,70.31) 69.08,69.77 68.21,68.9 68.21,64.82 67.15,63.76 67.15,62.63 67.64,62.14 67.64,55.11 v1(67.34,54.81)
  IC4 w0.7: v1(78.09,57.91) 78.09,57.1 77.72,56.73 77.72,56.32 78.14,55.9 78.14,52.52 77.5,51.88 77.5,51.21 77.1,50.81 77.1,46.38 77.1,47.92 77.74,47.28 77.74,42.13 v1(77.31,41.7)
  BC1 w0.08: v1(24.76,39.2) 25.63,39.2 26.29,39.86 26.29,43.95 26.6,44.26 v7(26.6,47.7) ; v7(27.96,58.5) 27.96,57.84 28.07,57.73 28.07,55.02 28.46,54.63 28.46,53.58 27.76,52.88 27.76,51.59 28.23,51.12 v7(28.23,47.7) ; v7(33.38,59.21) 32.04,60.55 32.04,62.96 31.68,63.33 31.23,63.33 30.68,62.77 30.68,58.92 30.35,58.59 v7(30.01,58.59)